# KiCad board stain.kicad_pcb
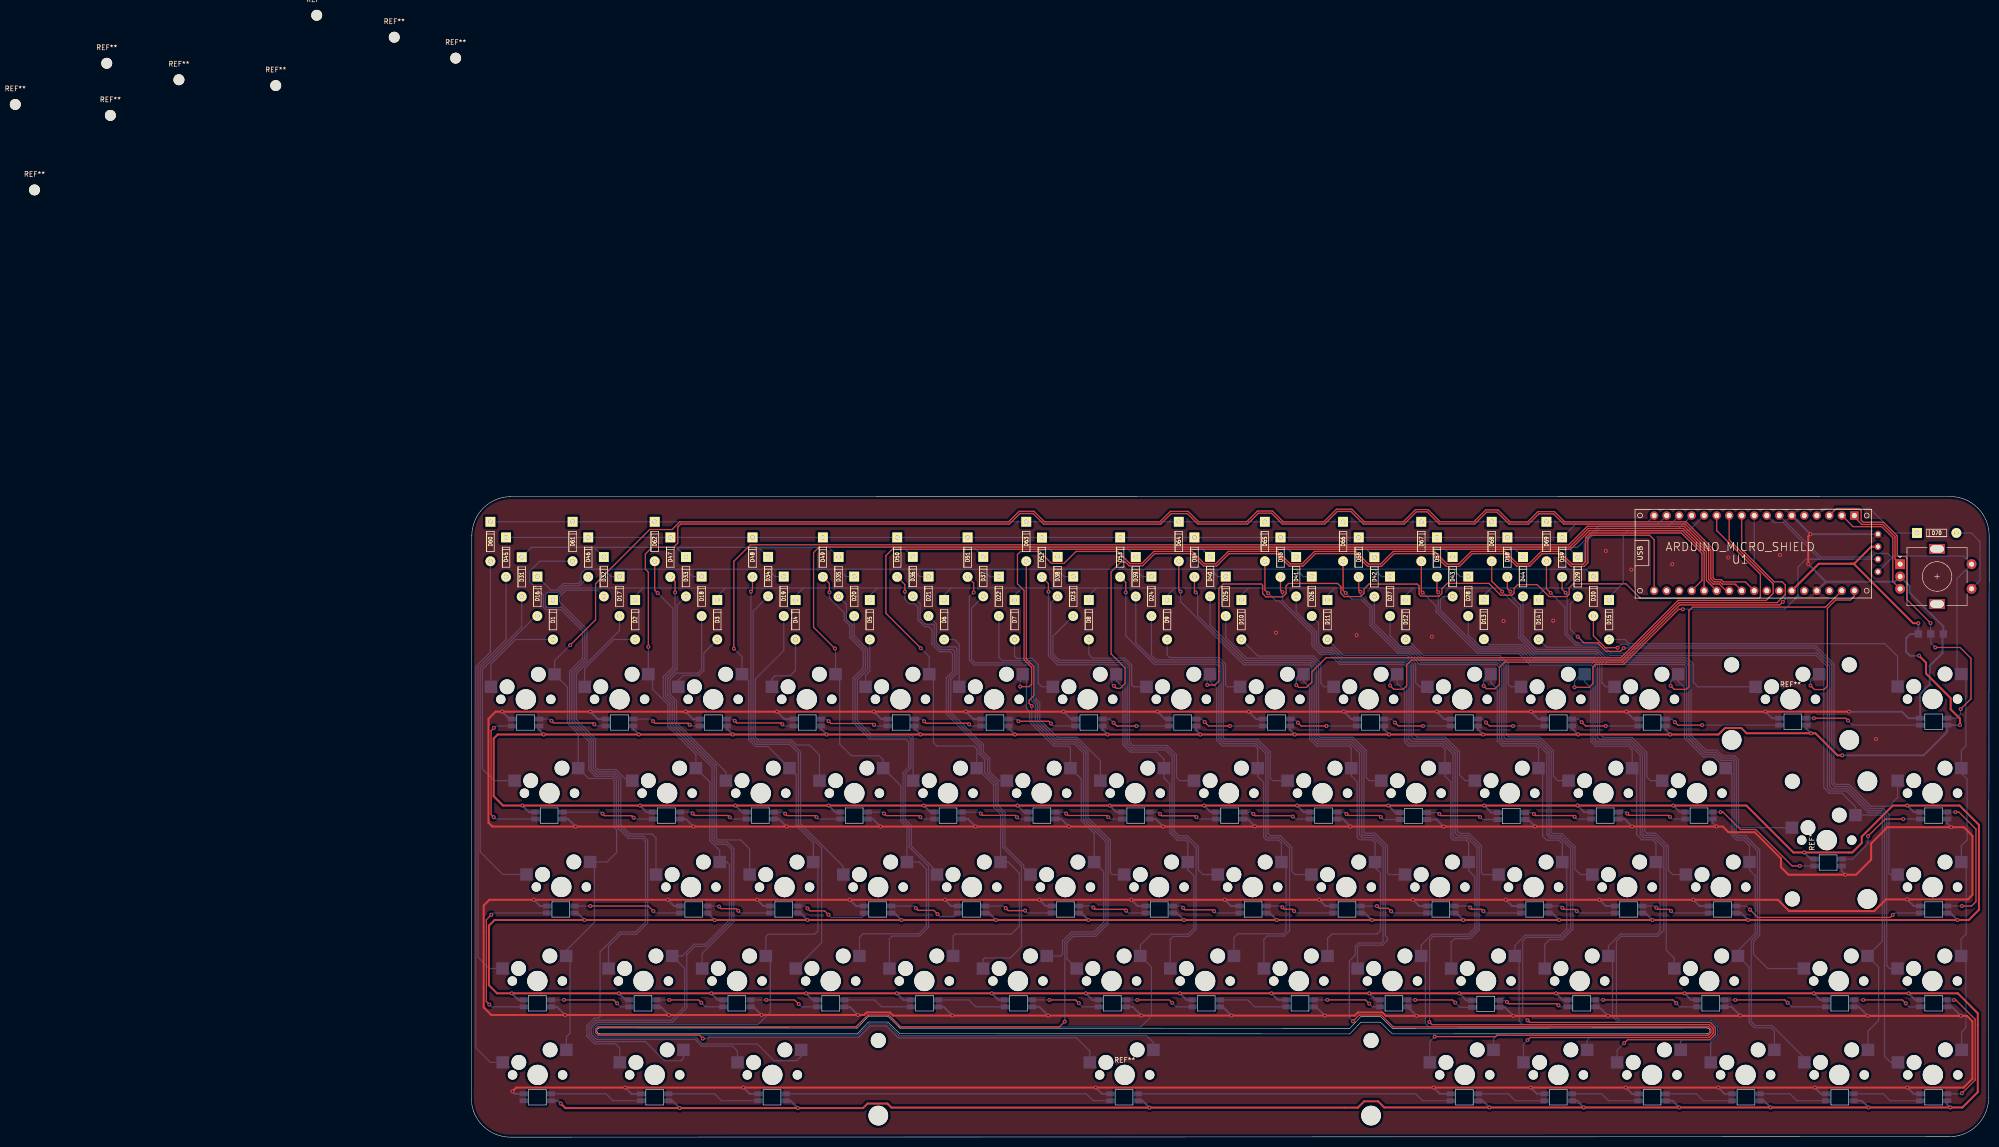
[diagram p0: board, top side]
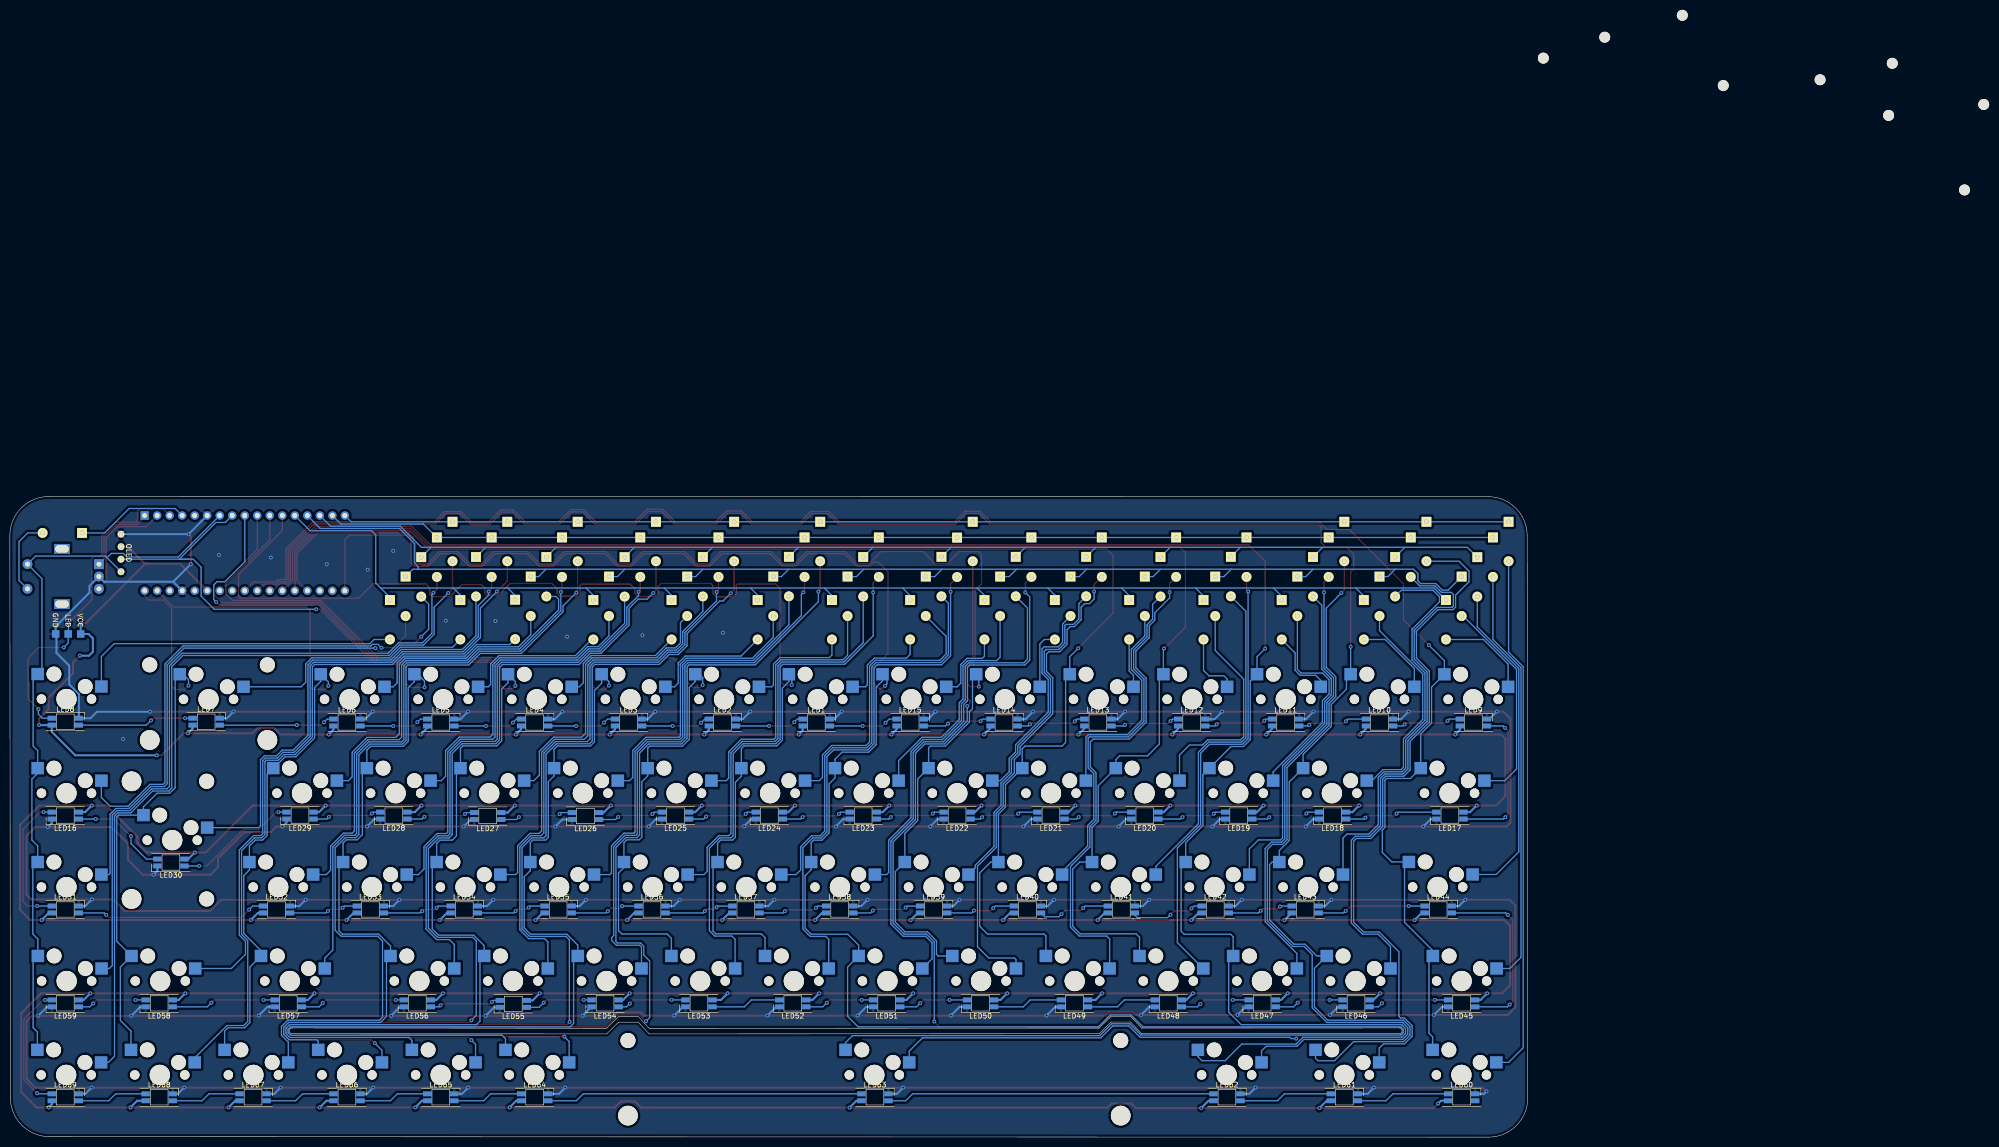
[diagram p1: board, bottom side, seen from below]

Outline 308.03 x 129.96 mm; copper layers: Top, Bottom. Coordinates in mm from the lower left corner of the outline.
Outline path: 0.1,121.99 0,7.58 arc(2.45,2.2) 7.94,0 299.99,0.1 arc(305.6,2.42) 307.92,8.03 308.03,122.02 arc(305.72,127.63) 300.11,129.96 8.04,129.93 arc(2.43,127.61) 0.1,121.99 ; 26.07,20.97 arc(25.49,21.56) 26.07,22.15 78.33,22.12 80.57,24.5 84.56,24.5 86.97,22.12 178.28,22.08 180.52,24.47 184.51,24.47 186.92,22.08 250.74,22.15 arc(251.32,21.56) 250.74,20.97 186.92,20.94 184.51,23.32 180.52,23.32 178.28,20.94 86.97,20.97 84.56,23.35 80.57,23.35 78.33,20.97 26.07,20.97
Stack: Top 0.035mm / dielectric 1.51mm FR4 er 4.5 / Bottom 0.035mm

## Placement (name value [footprint] x y rotation side)
D1  1N4148  [Diode_Long]  16.58 104.95 90 top
D2  1N4148  [Diode_Long]  33.25 104.95 90 top
D3  1N4148  [Diode_Long]  49.92 104.95 90 top
D4  1N4148  [Diode_Long]  65.79 104.95 90 top
D5  1N4148  [Diode_Long]  80.87 104.95 90 top
D6  1N4148  [Diode_Long]  95.95 104.95 90 top
D7  1N4148  [Diode_Long]  110.24 104.95 90 top
D8  1N4148  [Diode_Long]  125.32 104.95 90 top
D9  1N4148  [Diode_Long]  141.2 104.95 90 top
D10  1N4148  [Diode_Long]  156.28 104.95 90 top
D11  1N4148  [Diode_Long]  173.74 104.95 90 top
D12  1N4148  [Diode_Long]  189.62 104.95 90 top
D13  1N4148  [Diode_Long]  205.49 105.01 90 top
D14  1N4148  [Diode_Long]  216.6 104.95 90 top
D15  1N4148  [Diode_Long]  230.89 104.95 90 top
D16  1N4148  [Diode_Long]  13.4 109.71 90 top
D17  1N4148  [Diode_Long]  30.07 109.71 90 top
D18  1N4148  [Diode_Long]  46.74 109.71 90 top
D19  1N4148  [Diode_Long]  63.41 109.71 90 top
D20  1N4148  [Diode_Long]  77.7 109.71 90 top
D21  1N4148  [Diode_Long]  92.78 109.71 90 top
D22  1N4148  [Diode_Long]  107.07 109.71 90 top
D23  1N4148  [Diode_Long]  122.15 109.71 90 top
D24  1N4148  [Diode_Long]  138.02 109.71 90 top
D25  1N4148  [Diode_Long]  153.1 109.71 90 top
D26  1N4148  [Diode_Long]  170.57 109.71 90 top
D27  1N4148  [Diode_Long]  186.44 109.71 90 top
D28  1N4148  [Diode_Long]  202.32 109.71 90 top
D29  1N4148  [Diode_Long]  224.54 113.65 90 top
D30  1N4148  [Diode_Long]  227.72 109.71 90 top
D31  1N4148  [Diode_Long]  10.23 113.65 90 top
D32  1N4148  [Diode_Long]  26.9 113.68 90 top
D33  1N4148  [Diode_Long]  43.57 113.68 90 top
D34  1N4148  [Diode_Long]  60.24 113.71 90 top
D35  1N4148  [Diode_Long]  74.52 113.68 90 top
D36  1N4148  [Diode_Long]  89.6 113.71 90 top
D37  1N4148  [Diode_Long]  103.89 113.71 90 top
D38  1N4148  [Diode_Long]  118.97 113.71 90 top
D39  1N4148  [Diode_Long]  134.85 113.68 90 top
D40  1N4148  [Diode_Long]  149.93 113.71 90 top
D41  1N4148  [Diode_Long]  167.39 113.68 90 top
D42  1N4148  [Diode_Long]  183.27 113.65 90 top
D43  1N4148  [Diode_Long]  199.14 113.68 90 top
D44  1N4148  [Diode_Long]  213.43 113.68 90 top
D45  1N4148  [Diode_Long]  7.05 117.65 90 top
D46  1N4148  [Diode_Long]  23.72 117.65 90 top
D47  1N4148  [Diode_Long]  40.39 117.65 90 top
D48  1N4148  [Diode_Long]  57.06 117.65 90 top
D49  1N4148  [Diode_Long]  71.35 117.65 90 top
D50  1N4148  [Diode_Long]  86.43 117.65 90 top
D51  1N4148  [Diode_Long]  100.72 117.65 90 top
D52  1N4148  [Diode_Long]  115.8 117.62 90 top
D53  1N4148  [Diode_Long]  131.67 117.65 90 top
D54  1N4148  [Diode_Long]  146.75 117.65 90 top
D55  1N4148  [Diode_Long]  164.22 117.65 90 top
D56  1N4148  [Diode_Long]  180.09 117.65 90 top
D57  1N4148  [Diode_Long]  195.97 117.65 90 top
D58  1N4148  [Diode_Long]  210.25 117.65 90 top
D59  1N4148  [Diode_Long]  221.37 117.65 90 top
D60  1N4148  [Diode_Long]  3.88 120.83 90 top
D61  1N4148  [Diode_Long]  20.55 120.83 90 top
D62  1N4148  [Diode_Long]  37.22 120.83 90 top
D63  1N4148  [Diode_Long]  112.62 120.83 90 top
D64  1N4148  [Diode_Long]  143.58 120.83 90 top
D65  1N4148  [Diode_Long]  161.04 120.83 90 top
D66  1N4148  [Diode_Long]  176.92 120.83 90 top
D67  1N4148  [Diode_Long]  192.79 120.83 90 top
D68  1N4148  [Diode_Long]  207.08 120.83 90 top
D69  1N4148  [Diode_Long]  218.19 120.83 90 top
D70  1N4148  [Diode_Long]  297.38 122.57 180 top
G***  LOGO  [img_3]  80.17 341.12 180 bottom
G***#2  LOGO  [img_3]  308.77 337.95 0 bottom
J1  LED  [StripLED_1side]  293.65 102.08 270 bottom
LED1  YS-SK6812MINI-E  [YS-SK6812MINI-E_2]  144.37 84.11 0 bottom
LED2  YS-SK6812MINI-E  [YS-SK6812MINI-E_2]  163.42 84.11 0 bottom
LED3  YS-SK6812MINI-E  [YS-SK6812MINI-E_2]  182.47 84.11 0 bottom
LED4  YS-SK6812MINI-E  [YS-SK6812MINI-E_2]  201.52 84.11 0 bottom
LED5  YS-SK6812MINI-E  [YS-SK6812MINI-E_2]  220.57 84.11 0 bottom
LED6  YS-SK6812MINI-E  [YS-SK6812MINI-E_2]  239.62 84.11 0 bottom
LED7  YS-SK6812MINI-E  [YS-SK6812MINI-E_2]  268.2 84.28 0 bottom
LED8  YS-SK6812MINI-E  [YS-SK6812MINI-E_2]  296.77 84.28 0 bottom
LED9  YS-SK6812MINI-E  [YS-SK6812MINI-E_2]  11.02 84.11 0 bottom
LED10  YS-SK6812MINI-E  [YS-SK6812MINI-E_2]  30.07 84.11 0 bottom
LED11  YS-SK6812MINI-E  [YS-SK6812MINI-E_2]  49.12 84.11 0 bottom
LED12  YS-SK6812MINI-E  [YS-SK6812MINI-E_2]  68.17 84.11 0 bottom
LED13  YS-SK6812MINI-E  [YS-SK6812MINI-E_2]  87.22 84.11 0 bottom
LED14  YS-SK6812MINI-E  [YS-SK6812MINI-E_2]  106.27 84.11 0 bottom
LED15  YS-SK6812MINI-E  [YS-SK6812MINI-E_2]  125.32 84.11 0 bottom
LED16  YS-SK6812MINI-E  [YS-SK6812MINI-E_2]  296.77 65.23 180 bottom
LED17  YS-SK6812MINI-E  [YS-SK6812MINI-E_2]  15.79 65.23 180 bottom
LED18  YS-SK6812MINI-E  [YS-SK6812MINI-E_2]  39.6 65.23 180 bottom
LED19  YS-SK6812MINI-E  [YS-SK6812MINI-E_2]  58.65 65.23 180 bottom
LED20  YS-SK6812MINI-E  [YS-SK6812MINI-E_2]  77.7 65.23 180 bottom
LED21  YS-SK6812MINI-E  [YS-SK6812MINI-E_2]  96.75 65.23 180 bottom
LED22  YS-SK6812MINI-E  [YS-SK6812MINI-E_2]  115.8 65.23 180 bottom
LED23  YS-SK6812MINI-E  [YS-SK6812MINI-E_2]  134.85 65.23 180 bottom
LED24  YS-SK6812MINI-E  [YS-SK6812MINI-E_2]  153.9 65.23 180 bottom
LED25  YS-SK6812MINI-E  [YS-SK6812MINI-E_2]  172.95 65.23 180 bottom
LED26  YS-SK6812MINI-E  [YS-SK6812MINI-E_2]  191.2 65.14 180 bottom
LED27  YS-SK6812MINI-E  [YS-SK6812MINI-E_2]  211.05 65.14 180 bottom
LED28  YS-SK6812MINI-E  [YS-SK6812MINI-E_2]  230.1 65.23 180 bottom
LED29  YS-SK6812MINI-E  [YS-SK6812MINI-E_2]  249.15 65.23 180 bottom
LED30  YS-SK6812MINI-E  [YS-SK6812MINI-E_2]  275.34 55.71 180 bottom
LED31  YS-SK6812MINI-E  [YS-SK6812MINI-E_2]  296.77 46.18 0 bottom
LED32  YS-SK6812MINI-E  [YS-SK6812MINI-E_2]  253.91 46.18 0 bottom
LED33  YS-SK6812MINI-E  [YS-SK6812MINI-E_2]  234.86 46.18 0 bottom
LED34  YS-SK6812MINI-E  [YS-SK6812MINI-E_2]  215.81 46.18 0 bottom
LED35  YS-SK6812MINI-E  [YS-SK6812MINI-E_2]  196.76 46.18 0 bottom
LED36  YS-SK6812MINI-E  [YS-SK6812MINI-E_2]  177.71 46.18 0 bottom
LED37  YS-SK6812MINI-E  [YS-SK6812MINI-E_2]  158.66 46.18 0 bottom
LED38  YS-SK6812MINI-E  [YS-SK6812MINI-E_2]  139.61 46.18 0 bottom
LED39  YS-SK6812MINI-E  [YS-SK6812MINI-E_2]  120.56 46.18 0 bottom
LED40  YS-SK6812MINI-E  [YS-SK6812MINI-E_2]  101.51 46.18 0 bottom
LED41  YS-SK6812MINI-E  [YS-SK6812MINI-E_2]  82.46 46.18 0 bottom
LED42  YS-SK6812MINI-E  [YS-SK6812MINI-E_2]  63.41 46.18 0 bottom
LED43  YS-SK6812MINI-E  [YS-SK6812MINI-E_2]  45.15 46.18 0 bottom
LED44  YS-SK6812MINI-E  [YS-SK6812MINI-E_2]  18.17 46.18 0 bottom
LED45  YS-SK6812MINI-E  [YS-SK6812MINI-E_2]  13.4 27.13 180 bottom
LED46  YS-SK6812MINI-E  [YS-SK6812MINI-E_2]  34.84 27.13 180 bottom
LED47  YS-SK6812MINI-E  [YS-SK6812MINI-E_2]  53.89 27.13 180 bottom
LED48  YS-SK6812MINI-E  [YS-SK6812MINI-E_2]  72.94 27.13 180 bottom
LED49  YS-SK6812MINI-E  [YS-SK6812MINI-E_2]  91.99 27.13 180 bottom
LED50  YS-SK6812MINI-E  [YS-SK6812MINI-E_2]  111.04 27.13 180 bottom
LED51  YS-SK6812MINI-E  [YS-SK6812MINI-E_2]  130.09 27.13 180 bottom
LED52  YS-SK6812MINI-E  [YS-SK6812MINI-E_2]  149.14 27.13 180 bottom
LED53  YS-SK6812MINI-E  [YS-SK6812MINI-E_2]  168.19 27.13 180 bottom
LED54  YS-SK6812MINI-E  [YS-SK6812MINI-E_2]  187.24 27.13 180 bottom
LED55  YS-SK6812MINI-E  [YS-SK6812MINI-E_2]  205.86 27.04 180 bottom
LED56  YS-SK6812MINI-E  [YS-SK6812MINI-E_2]  225.34 27.13 180 bottom
LED57  YS-SK6812MINI-E  [YS-SK6812MINI-E_2]  251.53 27.13 180 bottom
LED58  YS-SK6812MINI-E  [YS-SK6812MINI-E_2]  277.72 27.13 180 bottom
LED59  YS-SK6812MINI-E  [YS-SK6812MINI-E_2]  296.77 27.13 180 bottom
LED60  YS-SK6812MINI-E  [YS-SK6812MINI-E_2]  13.4 8.08 0 bottom
LED61  YS-SK6812MINI-E  [YS-SK6812MINI-E_2]  37.22 8.08 0 bottom
LED62  YS-SK6812MINI-E  [YS-SK6812MINI-E_2]  61.03 8.08 0 bottom
LED63  YS-SK6812MINI-E  [YS-SK6812MINI-E_2]  132.47 8.08 0 bottom
LED64  YS-SK6812MINI-E  [YS-SK6812MINI-E_2]  201.52 8.08 0 bottom
LED65  YS-SK6812MINI-E  [YS-SK6812MINI-E_2]  220.57 8.08 0 bottom
LED66  YS-SK6812MINI-E  [YS-SK6812MINI-E_2]  239.62 8.08 0 bottom
LED67  YS-SK6812MINI-E  [YS-SK6812MINI-E_2]  258.67 8.08 0 bottom
LED68  YS-SK6812MINI-E  [YS-SK6812MINI-E_2]  277.72 8.08 0 bottom
LED69  YS-SK6812MINI-E  [YS-SK6812MINI-E_2]  296.77 8.08 0 bottom
OL1  OLED  [OLED_v2]  285.47 118.51 270 bottom
REF**  -  [MountingHole_2.2mm_M2]  -88.65 192.15 0 top
REF**#2  -  [Stabilizer_Cherry_MX_6.25u]  132.59 12.62 0 top
REF**#3  -  [Stabilizer_Cherry_MX_2u]  275.07 60.25 90 top
REF**#4  -  [MountingHole_2.2mm_M2]  -92.55 209.49 0 top
REF**#5  -  [MountingHole_2.2mm_M2]  -73.98 217.84 0 top
REF**#6  -  [Stabilizer_Cherry_MX_2u]  267.71 88.82 0 top
REF**#7  -  [MountingHole_2.2mm_M2]  -31.38 227.58 0 top
REF**#8  -  [MountingHole_2.2mm_M2]  -3.18 218.89 0 top
REF**#9  -  [MountingHole_2.2mm_M2]  -15.64 223.13 0 top
REF**#10  -  [MountingHole_2.2mm_M2]  -59.34 214.5 0 top
REF**#11  -  [MountingHole_2.2mm_M2]  -73.25 207.27 0 top
REF**#12  -  [MountingHole_2.2mm_M2]  -39.69 213.33 0 top
SW1  Switch_SW_Push  [CherryMX_Hotswap]  11.07 88.81 0 top
SW2  Switch_SW_Push  [CherryMX_Hotswap]  30.09 88.82 0 top
SW3  Switch_SW_Push  [CherryMX_Hotswap]  49.09 88.82 0 top
SW4  Switch_SW_Push  [CherryMX_Hotswap]  68.09 88.82 0 top
SW5  Switch_SW_Push  [CherryMX_Hotswap]  87.09 88.82 0 top
SW6  Switch_SW_Push  [CherryMX_Hotswap]  106.09 88.82 0 top
SW7  Switch_SW_Push  [CherryMX_Hotswap]  125.09 88.82 0 top
SW8  Switch_SW_Push  [CherryMX_Hotswap]  144.09 88.82 0 top
SW9  Switch_SW_Push  [CherryMX_Hotswap]  163.09 88.82 0 top
SW10  Switch_SW_Push  [CherryMX_Hotswap]  182.09 88.82 0 top
SW11  Switch_SW_Push  [CherryMX_Hotswap]  201.09 88.82 0 top
SW12  Switch_SW_Push  [CherryMX_Hotswap]  220.09 88.82 0 top
SW13  Switch_SW_Push  [CherryMX_Hotswap]  239.09 88.82 0 top
SW14  Switch_SW_Push  [CherryMX_Hotswap]  267.71 88.82 0 top
SW15  Switch_SW_Push  [CherryMX_Hotswap]  296.54 88.87 0 top
SW16  Switch_SW_Push  [CherryMX_Hotswap]  15.87 69.77 0 top
SW17  Switch_SW_Push  [CherryMX_Hotswap]  39.74 69.77 0 top
SW18  Switch_SW_Push  [CherryMX_Hotswap]  58.74 69.77 0 top
SW19  Switch_SW_Push  [CherryMX_Hotswap]  77.74 69.77 0 top
SW20  Switch_SW_Push  [CherryMX_Hotswap]  96.74 69.77 0 top
SW21  Switch_SW_Push  [CherryMX_Hotswap]  115.74 69.77 0 top
SW22  Switch_SW_Push  [CherryMX_Hotswap]  134.74 69.77 0 top
SW23  Switch_SW_Push  [CherryMX_Hotswap]  153.74 69.77 0 top
SW24  Switch_SW_Push  [CherryMX_Hotswap]  172.74 69.77 0 top
SW25  Switch_SW_Push  [CherryMX_Hotswap]  191.74 69.77 0 top
SW26  Switch_SW_Push  [CherryMX_Hotswap]  210.74 69.77 0 top
SW27  Switch_SW_Push  [CherryMX_Hotswap]  229.74 69.77 0 top
SW28  Switch_SW_Push  [CherryMX_Hotswap]  248.74 69.77 0 top
SW29  Switch_SW_Push  [CherryMX_Hotswap]  296.54 50.72 0 top
SW30  Switch_SW_Push  [CherryMX_Hotswap]  296.54 69.77 0 top
SW31  Switch_SW_Push  [CherryMX_Hotswap]  18.27 50.75 0 top
SW32  Switch_SW_Push  [CherryMX_Hotswap]  44.57 50.72 0 top
SW33  Switch_SW_Push  [CherryMX_Hotswap]  63.57 50.72 0 top
SW34  Switch_SW_Push  [CherryMX_Hotswap]  82.57 50.72 0 top
SW35  Switch_SW_Push  [CherryMX_Hotswap]  101.57 50.72 0 top
SW36  Switch_SW_Push  [CherryMX_Hotswap]  120.57 50.72 0 top
SW37  Switch_SW_Push  [CherryMX_Hotswap]  139.57 50.72 0 top
SW38  Switch_SW_Push  [CherryMX_Hotswap]  158.57 50.72 0 top
SW39  Switch_SW_Push  [CherryMX_Hotswap]  177.57 50.72 0 top
SW40  Switch_SW_Push  [CherryMX_Hotswap]  196.57 50.72 0 top
SW41  Switch_SW_Push  [CherryMX_Hotswap]  215.57 50.72 0 top
SW42  Switch_SW_Push  [CherryMX_Hotswap]  234.57 50.72 0 top
SW43  Switch_SW_Push  [CherryMX_Hotswap]  253.57 50.72 0 top
SW44  Switch_SW_Push  [CherryMX_Hotswap]  275.07 60.25 0 top
SW45  Switch_SW_Push  [CherryMX_Hotswap]  13.4 31.67 0 top
SW46  Switch_SW_Push  [CherryMX_Hotswap]  34.93 31.67 0 top
SW47  Switch_SW_Push  [CherryMX_Hotswap]  53.93 31.67 0 top
SW48  Switch_SW_Push  [CherryMX_Hotswap]  72.93 31.67 0 top
SW49  Switch_SW_Push  [CherryMX_Hotswap]  91.93 31.67 0 top
SW50  Switch_SW_Push  [CherryMX_Hotswap]  110.93 31.67 0 top
SW51  Switch_SW_Push  [CherryMX_Hotswap]  129.93 31.67 0 top
SW52  Switch_SW_Push  [CherryMX_Hotswap]  148.93 31.67 0 top
SW53  Switch_SW_Push  [CherryMX_Hotswap]  167.93 31.67 0 top
SW54  Switch_SW_Push  [CherryMX_Hotswap]  186.93 31.67 0 top
SW55  Switch_SW_Push  [CherryMX_Hotswap]  205.93 31.67 0 top
SW56  Switch_SW_Push  [CherryMX_Hotswap]  224.93 31.67 0 top
SW57  Switch_SW_Push  [CherryMX_Hotswap]  251.21 31.67 0 top
SW58  Switch_SW_Push  [CherryMX_Hotswap]  277.5 31.67 0 top
SW59  Switch_SW_Push  [CherryMX_Hotswap]  296.5 31.67 0 top
SW60  Switch_SW_Push  [CherryMX_Hotswap]  132.59 12.62 0 top
SW61  Switch_SW_Push  [CherryMX_Hotswap]  201.6 12.62 0 top
SW62  Switch_SW_Push  [CherryMX_Hotswap]  220.6 12.62 0 top
SW63  Switch_SW_Push  [CherryMX_Hotswap]  239.6 12.62 0 top
SW64  Switch_SW_Push  [CherryMX_Hotswap]  258.6 12.62 0 top
SW65  Switch_SW_Push  [CherryMX_Hotswap]  277.6 12.62 0 top
SW66  Switch_SW_Push  [CherryMX_Hotswap]  296.6 12.62 0 top
SW67  Switch_SW_Push  [CherryMX_Hotswap]  13.45 12.62 0 top
SW68  Switch_SW_Push  [CherryMX_Hotswap]  37.22 12.62 0 top
SW69  Switch_SW_Push  [CherryMX_Hotswap]  61.09 12.62 0 top
SW70  Device_Rotary_Encoder_Switch  [RotaryEncoder_EC11]  297.46 113.73 0 top
U1  -  [ARDUINO_MICRO_SHIELD]  284.18 127.36 180 top

## Footprints (pads in the part's own frame, mm; a bottom-side part is the same pattern mirrored in y, then rotated)
ARDUINO_MICRO_SHIELD
  round 1.7 hole 1: 2(18.74,1.254) 3(21.28,1.254) 3.3V(41.6,16.51) 4(23.82,1.254) 5(26.36,1.254) 5V(16.2,16.51) 6(28.9,1.254) 7(31.44,1.254) 8(33.98,1.254) 9(36.52,1.254) 10(39.06,1.254) 11(41.6,1.254) 12(44.14,1.254) 13(44.14,16.51) A0(36.52,16.51) A1(33.98,16.51) A2(31.44,16.51) A3(28.9,16.51) A4(26.36,16.51) A5(23.82,16.51) AREF(39.06,16.51) GND(11.12,16.51) GND(16.2,1.254) MI(6.04,16.51) NC(18.74,16.51) NC(21.28,16.51) RST(13.66,16.51) RST(13.66,1.254) RX(11.12,1.254) SCK(3.5,16.51) SS(6.04,1.254) TX(8.58,1.254) VI(8.58,16.51)
  rect 1.7x1.7 hole 1: MO(3.5,1.254)
CherryMX_Hotswap
  round 1.9 hole 1.9 unplated: (-5.08,0) (5.08,0)
  round 3 hole 3 unplated: (-3.81,2.54) (2.54,5.08)
  round 4.1 hole 4.1 unplated: (0,0)
  rect 2.55x2.5 smd far side: 1(-7.085,2.54) 2(5.842,5.08)
Diode_Long
  rect 2x2 hole 0.9: 1(4,0)
  round 2 hole 0.9: 2(-4,0)
MountingHole_2.2mm_M2
  round 2.2 hole 2.2 unplated: (0,0)
OLED_v2
  round 1.397 hole 0.813: 1(-3.81,0) 2(-1.27,0) 3(1.27,0) 4(3.81,0)
RotaryEncoder_EC11
  rect 3.2x2 hole 2.8x1.5 unplated: (0,5.6) (0,-5.6)
  rect 2x2 hole 1: A(-7.5,2.5)
  round 2 hole 1: B(-7.5,-2.5) C(-7.5,0) S1(7,-2.5) S2(7,2.5)
Stabilizer_Cherry_MX_2u
  round 3.048 hole 3.048 unplated: (-11.938,6.985) (11.938,6.985)
  round 3.988 hole 3.988 unplated: (-11.938,-8.255) (11.938,-8.255)
Stabilizer_Cherry_MX_6.25u
  round 3.048 hole 3.048 unplated: (-50,6.985) (50,6.985)
  round 3.988 hole 3.988 unplated: (-50,-8.255) (50,-8.255)
StripLED_1side
  rect 1.524x1.524 smd: 1(0,0) 2(0,-2.54) 3(0,-5.08)
YS-SK6812MINI-E_2
  rect 1.7x1 smd: 1(2.75,0.7) 2(2.75,-0.7) 3(-2.75,-0.7) 4(-2.75,0.7)

## Nets
GND: J1.3 LED1.3 LED2.3 LED3.3 LED4.3 LED5.3 LED6.3 LED7.3 LED8.3 LED9.3 LED10.3 LED11.3 LED12.3 LED13.3 LED14.3 LED15.3 LED16.3 LED17.3 LED18.3 LED19.3 LED20.3 LED21.3 LED22.3 LED23.3 LED24.3 LED25.3 LED26.3 LED27.3 LED28.3 LED29.3 LED30.3 LED31.3 LED32.3 LED33.3 LED34.3 LED35.3 LED36.3 LED37.3 LED38.3 LED39.3 LED40.3 LED41.3 LED42.3 LED43.3 LED44.3 LED45.3 LED46.3 LED47.3 LED48.3 LED49.3 LED50.3 LED51.3 LED52.3 LED53.3 LED54.3 LED55.3 LED56.3 LED57.3 LED58.3 LED59.3 LED60.3 LED61.3 LED62.3 LED63.3 LED64.3 LED65.3 LED66.3 LED67.3 LED68.3 LED69.3 OL1.1 SW70.C U1.GND
VCC: J1.1 LED1.1 LED2.1 LED3.1 LED4.1 LED5.1 LED6.1 LED7.1 LED8.1 LED9.1 LED10.1 LED11.1 LED12.1 LED13.1 LED14.1 LED15.1 LED16.1 LED17.1 LED18.1 LED19.1 LED20.1 LED21.1 LED22.1 LED23.1 LED24.1 LED25.1 LED26.1 LED27.1 LED28.1 LED29.1 LED30.1 LED31.1 LED32.1 LED33.1 LED34.1 LED35.1 LED36.1 LED37.1 LED38.1 LED39.1 LED40.1 LED41.1 LED42.1 LED43.1 LED44.1 LED45.1 LED46.1 LED47.1 LED48.1 LED49.1 LED50.1 LED51.1 LED52.1 LED53.1 LED54.1 LED55.1 LED56.1 LED57.1 LED58.1 LED59.1 LED60.1 LED61.1 LED62.1 LED63.1 LED64.1 LED65.1 LED66.1 LED67.1 LED68.1 LED69.1 OL1.2 U1.5V
Col0: SW1.2 SW16.2 SW31.2 SW45.2 SW67.2 U1.A5
Col1: SW2.2 SW17.2 SW32.2 SW46.2 SW68.2 U1.A4
Col2: SW3.2 SW18.2 SW33.2 SW47.2 SW69.2 U1.A3
Col3: SW4.2 SW19.2 SW34.2 SW48.2 U1.A2
Col4: SW5.2 SW20.2 SW35.2 SW49.2 U1.A1
Col5: SW6.2 SW21.2 SW36.2 SW50.2 U1.A0
Col6: SW7.2 SW22.2 SW37.2 SW51.2 SW60.2 U1.13
Col7: SW8.2 SW23.2 SW38.2 SW52.2 U1.7
Col8: SW9.2 SW24.2 SW39.2 SW53.2 U1.6
Col9: SW10.2 SW25.2 SW40.2 SW54.2 SW61.2 U1.5
Col10: SW11.2 SW26.2 SW41.2 SW55.2 SW62.2 U1.4
Col11: OL1.3 SW12.2 SW27.2 SW42.2 SW56.2 SW63.2 U1.3
Col12: SW13.2 SW28.2 SW43.2 SW57.2 SW64.2 U1.MI
Col13: SW14.2 SW44.2 SW58.2 SW65.2 U1.SCK
Col14: OL1.4 SW15.2 SW29.2 SW30.2 SW59.2 SW66.2 SW70.S2 U1.2
Col15: D70.1 U1.RX
en1: SW70.B U1.SS
en2: SW70.A U1.MO
LED: J1.2 LED8.2 U1.TX
Row1: D1.1 D2.1 D3.1 D4.1 D5.1 D6.1 D7.1 D8.1 D9.1 D10.1 D11.1 D12.1 D13.1 D14.1 D15.1 U1.8
Row2: D16.1 D17.1 D18.1 D19.1 D20.1 D21.1 D22.1 D23.1 D24.1 D25.1 D26.1 D27.1 D28.1 D30.1 U1.9
Row3: D29.1 D31.1 D32.1 D33.1 D34.1 D35.1 D36.1 D37.1 D38.1 D39.1 D40.1 D41.1 D42.1 D43.1 D44.1 U1.10
Row4: D45.1 D46.1 D47.1 D48.1 D49.1 D50.1 D51.1 D52.1 D53.1 D54.1 D55.1 D56.1 D57.1 D58.1 D59.1 U1.11
Row5: D60.1 D61.1 D62.1 D63.1 D64.1 D65.1 D66.1 D67.1 D68.1 D69.1 U1.12
Net-(D1-Pad2): D1.2 SW1.1
Net-(D2-Pad2): D2.2 SW2.1
Net-(D3-Pad2): D3.2 SW3.1
Net-(D4-Pad2): D4.2 SW4.1
Net-(D5-Pad2): D5.2 SW5.1
Net-(D6-Pad2): D6.2 SW6.1
Net-(D7-Pad2): D7.2 SW7.1
Net-(D8-Pad2): D8.2 SW8.1
Net-(D9-Pad2): D9.2 SW9.1
Net-(D10-Pad2): D10.2 SW10.1
Net-(D11-Pad2): D11.2 SW11.1
Net-(D12-Pad2): D12.2 SW12.1
Net-(D13-Pad2): D13.2 SW13.1
Net-(D14-Pad2): D14.2 SW14.1
Net-(D15-Pad2): D15.2 SW15.1
Net-(D16-Pad2): D16.2 SW16.1
Net-(D17-Pad2): D17.2 SW17.1
Net-(D18-Pad2): D18.2 SW18.1
Net-(D19-Pad2): D19.2 SW19.1
Net-(D20-Pad2): D20.2 SW20.1
Net-(D21-Pad2): D21.2 SW21.1
Net-(D22-Pad2): D22.2 SW22.1
Net-(D23-Pad2): D23.2 SW23.1
Net-(D24-Pad2): D24.2 SW24.1
Net-(D25-Pad2): D25.2 SW25.1
Net-(D26-Pad2): D26.2 SW26.1
Net-(D27-Pad2): D27.2 SW27.1
Net-(D28-Pad2): D28.2 SW28.1
Net-(D29-Pad2): D29.2 SW29.1
Net-(D30-Pad2): D30.2 SW30.1
Net-(D31-Pad2): D31.2 SW31.1
Net-(D32-Pad2): D32.2 SW32.1
Net-(D33-Pad2): D33.2 SW33.1
Net-(D34-Pad2): D34.2 SW34.1
Net-(D35-Pad2): D35.2 SW35.1
Net-(D36-Pad2): D36.2 SW36.1
Net-(D37-Pad2): D37.2 SW37.1
Net-(D38-Pad2): D38.2 SW38.1
Net-(D39-Pad2): D39.2 SW39.1
Net-(D40-Pad2): D40.2 SW40.1
Net-(D41-Pad2): D41.2 SW41.1
Net-(D42-Pad2): D42.2 SW42.1
Net-(D43-Pad2): D43.2 SW43.1
Net-(D44-Pad2): D44.2 SW44.1
Net-(D45-Pad2): D45.2 SW45.1
Net-(D46-Pad2): D46.2 SW46.1
Net-(D47-Pad2): D47.2 SW47.1
Net-(D48-Pad2): D48.2 SW48.1
Net-(D49-Pad2): D49.2 SW49.1
Net-(D50-Pad2): D50.2 SW50.1
Net-(D51-Pad2): D51.2 SW51.1
Net-(D52-Pad2): D52.2 SW52.1
Net-(D53-Pad2): D53.2 SW53.1
Net-(D54-Pad2): D54.2 SW54.1
Net-(D55-Pad2): D55.2 SW55.1
Net-(D56-Pad2): D56.2 SW56.1
Net-(D57-Pad2): D57.2 SW57.1
Net-(D58-Pad2): D58.2 SW58.1
Net-(D59-Pad2): D59.2 SW59.1
Net-(D60-Pad2): D60.2 SW67.1
Net-(D61-Pad2): D61.2 SW68.1
Net-(D62-Pad2): D62.2 SW69.1
Net-(D63-Pad2): D63.2 SW60.1
Net-(D64-Pad2): D64.2 SW61.1
Net-(D65-Pad2): D65.2 SW62.1
Net-(D66-Pad2): D66.2 SW63.1
Net-(D67-Pad2): D67.2 SW64.1
Net-(D68-Pad2): D68.2 SW65.1
Net-(D69-Pad2): D69.2 SW66.1
Net-(LED1-Pad2): LED1.2 LED2.4
Net-(LED1-Pad4): LED1.4 LED15.2
Net-(LED2-Pad2): LED2.2 LED3.4
Net-(LED3-Pad2): LED3.2 LED4.4
Net-(LED4-Pad2): LED4.2 LED5.4
Net-(LED5-Pad2): LED5.2 LED6.4
Net-(LED6-Pad2): LED6.2 LED7.4
Net-(LED7-Pad2): LED7.2 LED8.4
Net-(LED10-Pad2): LED10.2 LED11.4
Net-(LED10-Pad4): LED9.2 LED10.4
Net-(LED11-Pad2): LED11.2 LED12.4
Net-(LED12-Pad2): LED12.2 LED13.4
Net-(LED13-Pad2): LED13.2 LED14.4
Net-(LED14-Pad2): LED14.2 LED15.4
Net-(LED16-Pad2): LED16.2 LED30.4
Net-(LED16-Pad4): LED16.4 LED31.2
Net-(LED17-Pad2): LED9.4 LED17.2
Net-(LED17-Pad4): LED17.4 LED18.2
Net-(LED18-Pad4): LED18.4 LED19.2
Net-(LED19-Pad4): LED19.4 LED20.2
Net-(LED20-Pad4): LED20.4 LED21.2